# Altium PCB LimePSB-RPCM_1v5.PcbDoc (part 9 of 12) (continued)
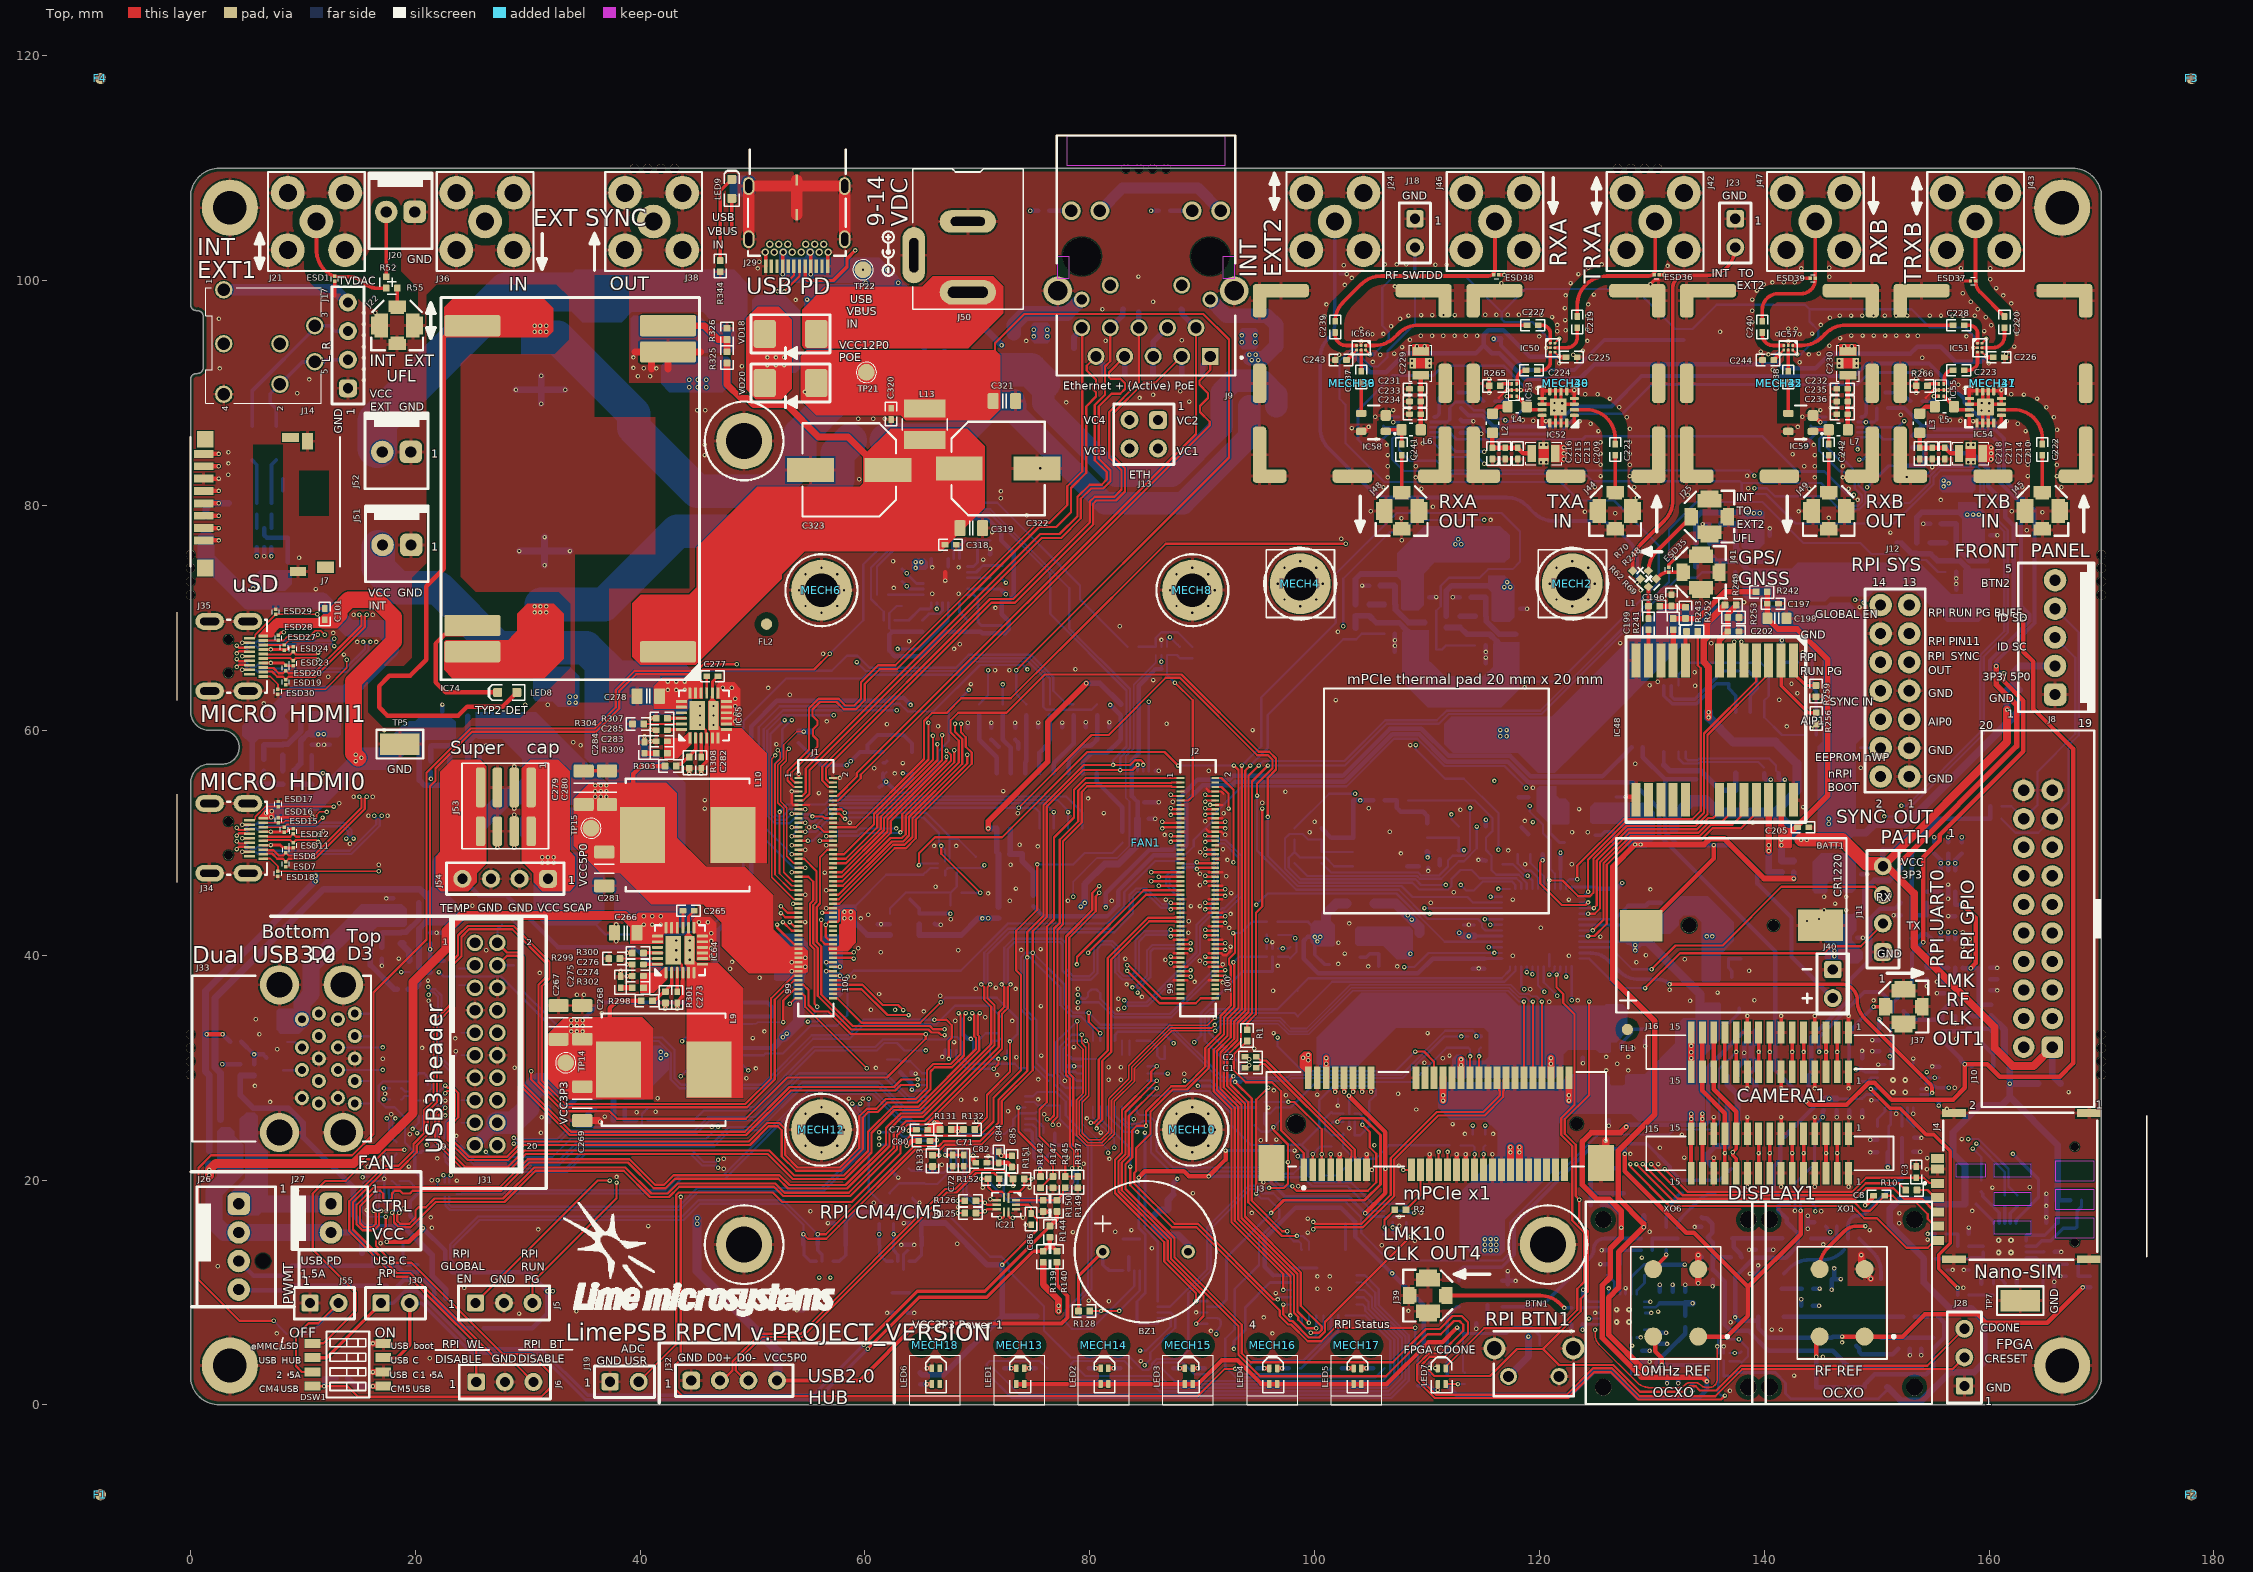
[diagram p0: Top view]
## Nets (pads, with @x,y where several pads share a name; then routed paths per layer and width w, separated by ;. In a path a pad name is that pad's centre, name@x,y a point inside that pad or via, vN(x,y) a via of type N, cw(c..) or ccw(c..) an arc to the next point about the centre after c; other vN are vias at no path point) (continued)
  Bottom w0.4: v1(81.425,44.25) 81.425,45.5 85.325,49.4 87.4,49.4 87.95,49.95 87.95,53.975 89.6,55.625 92.418,55.625 92.743,55.95 102.5,55.95 106.7,60.15 109.5,60.15 111.925,57.725 117.407,57.725 119.232,55.9 125.6,55.9 R87.1@128.2,58.5
RPI_VBUS_EN: IC1.1 R9.1 R167.2 | length 6.3
  Bottom w0.2: R167.2@84.35,67.45 84.363,67.437 IC1.1@85.875,67.437 85.875,68.225 86.375,68.725 87.825,68.725 R9.1@89.125,67.425
RPI_WL_nDISABLE: J1.89 J6.1 | length 103.1
  Top w0.2: J6.1@25.419,2.038 25.419,5.406 22.025,8.8 19.425,11.4 18.175,11.4 14.114,15.461 14.114,18.114 17.275,21.275 18.5,21.275 19.825,22.6 19.825,22.951 19.825,23.199 20.8,24.174 20.8,26.224 21.625,27.049 21.625,34.124 23.075,35.574 23.075,39.299 23.8,40.024 23.8,41.749 24.651,42.6 28.75,42.6 31.925,39.425 31.925,37.926 31.25,37.251 31.25,36.85 31.25,28.849 33.324,26.775 49.376,26.775 51.65,29.049 51.65,36.175 53.65,38.175 J1.89@54.085,38.175
RTC_nINT: C51.1 IC14.3 IC16.3 R100.1 | length 19.4
  Bottom w0.2: IC16.3@132.375,64 132.375,64.975 133.425,66.025 139.7,66.025 140.4,65.325 140.4,63.05 140.01,62.66 IC14.3@140.01,61.612 140.01,61.165 141.575,59.6 R100.1@143.625,59.6 C51.1@143.625,60.7
RTC_OSCI: IC14.1 IC16.1 XT1.1 | length 10.5
  Bottom w0.3: IC16.1@131.075,64 131.075,63.1 131.8,62.375 133.975,62.375 135.734,64.134 XT1.1@136.83,64.134 136.83,63.735 137.47,63.094 IC14.1@137.47,61.612
RTC_OSCO: IC14.2 IC16.2 XT1.2 | length 13.2
  Bottom w0.3: IC16.2@131.725,64 131.725,63.025 131.975,62.775 133.809,62.775 136.319,65.284 138.591,65.284 139.33,64.545 XT1.2@139.33,64.134 ; IC14.2@138.74,61.612 138.74,63.094 139.38,63.735 XT1.2@139.38,64.134
RTC_VDD: C48.1 D1.C IC14.8 IC16.8 | length 10
  Bottom w0.3: 131.075,56.925 IC16.8@131.075,58.1
  Bottom w0.5: 131.075,56.925 131.577,56.423 134.323,56.423 D1.C@136.058,54.688 C48.1@137.47,54.688 IC14.8@137.47,56.188
RXA: C239.1 ESD38.1 J46.1 | length 20.8
  Top w0.325: C239.1@101.825,96.4 cw(c104.179,96.4) 102.514,98.064 104.131,99.681 cw(c105.927,97.885) 105.927,100.425 115.453,100.425 ccw(c115.453,101.023) 116.05,101.023 J46.1@116.05,105.275
RXA_OUT: C241.2 J48.1 | length 3.2
  Top w0.325: J48.1@107.74,81.225 C241.2@107.74,84.475
RXB: C240.1 ESD39.1 J47.1 | length 12.4
  Top w0.325: C240.1@139.825,96.4 139.825,97.426 cw(c141.249,97.426) 141.249,98.85 143.275,98.85 ccw(c143.275,100.125) 144.55,100.125 ESD39.1@144.55,100.225 J47.1@144.55,105.275
RXB_OUT: C242.2 J49.1 | length 3.2
  Top w0.325: J49.1@145.74,81.225 C242.2@145.74,84.475
SCAP_TEMP: C32.1 IC6.7 J53.4 J54.4 R48.2 R53.1 | length 90.4
  L3 w0.4: v1(64.057,62.268) v1(81.818,62.268)
  Bottom w0.4: J54.4@24.186,46.8 25.661,45.325 28.075,45.325 32.675,40.725 39.475,40.725 41.425,38.775 46.05,38.775 46.9,39.625 46.9,42.175 49.9,45.175 49.9,60.375 52.15,62.625 62.05,62.625 62.325,62.9 63.425,62.9 v1(64.057,62.268) ; IC6.7@79.333,56.177 79.352,56.196 79.352,57.169 80.183,58 81.566,58 82.651,59.085 82.651,59.135 82.701,59.185 C32.1@82.751,59.185 R53.1@82.751,60.235 R48.2@82.751,61.335 v1(81.818,62.268)
  Bottom w0.6: J54.4@24.186,46.8 J54.4@24.225,46.839
SIM_VPP: J4.C6 R10.2 | length 2.1
  Top w0.2: R10.2@153.59,19.11 154.515,19.11 155.195,18.43 J4.C6@155.405,18.43
SYNC_OUT: IC32.2 IC42.4 IC43.3 R229.1 R232.1 R233.2 | length 54.9
  Top w0.25: v1(96.125,17.075) 97.25,18.2 104.45,18.2 105.85,19.6 105.85,24 104.35,25.5 102.344,25.5 v1(102.031,25.187)
  L3 w0.1: v1(98.275,41.5) 98.275,28.944 v1(102.031,25.187)
  Bottom w0.2: IC42.4@96.75,39.863 97.687,39.863 R232.1@97.825,39.725 98.4,40.3 98.4,41.321 98.275,41.446 v1(98.275,41.5) 97.975,41.8 R229.1@96.75,41.8 ; R233.2@101.5,25.05 101.637,25.187 v1(102.031,25.187) IC43.3@102.575,25.187
  Bottom w0.25: IC32.2@90.45,8.725 91.525,8.725 92.15,9.35 92.15,13.1 v1(96.125,17.075)
SYNC_OUT_SEL: IC12.2 IC42.6 | length 45.6
  Top w0.2: v1(92.775,39.375) 92.813,39.337 92.813,39.195 92.85,39.159 92.85,35.401 91.95,34.501 91.95,33.001 90.575,31.626 90.575,29.976 88.649,28.05 87.374,28.05 85.4,26.076 85.4,24.125 84.125,22.85 84.125,20.8 83.95,20.625 83.95,19.7 87.55,16.1 89.624,16.1 96.349,9.375 v1(96.725,9.375)
  Bottom w0.2: v1(92.775,39.375) 93.263,39.863 IC42.6@95.75,39.863 ; v1(96.725,9.375) 96.742,9.375 96.942,9.575 IC12.2@97.875,9.575
TCXO_DAC: IC35.4 R192.2 R194.1 | length 33.1
  Bottom w0.25: R192.2@141.225,18.65 142.236,18.65 IC35.4@142.236,18.548
  Bottom w0.4: R192.2@141.225,18.65 140.825,19.05 140.825,21.171 141.414,21.761 141.414,23.489 144.375,26.45 144.375,27.3 143.975,27.7 143.975,29.3 144.2,29.525 144.2,32.7 147.6,36.1 147.6,37.8 149.425,39.625 149.425,43.259 150.316,44.15 151.63,44.15 R194.1@152.14,44.659
TCXO_DAC_VREF: C156.2 C157.1 IC36.2 R197.1 R198.1 R202.1 R204.1 | length 11.7
  Bottom w0.4: R202.1@152.4,35 153.161,34.239 R197.1@155.849,34.239 155.849,35.015 156.423,35.589 R204.1@156.998,35.589 ; IC36.2@156.999,38.884 C157.1@156.999,37.63 R204.1@156.999,35.575 157.548,35.575 158.549,34.574 R198.1@159.099,34.574
TRXA: C219.1 ESD36.1 J42.1 | length 14
  Top w0.325: C219.1@123.375,96.825 123.375,97.816 cw(c125.984,97.816) 125.984,100.425 129.703,100.425 ccw(c129.703,101.023) 130.3,101.023 J42.1@130.3,105.275
TRXB: C220.1 ESD37.1 J43.1 | length 9.5
  Top w0.325: J43.1@158.8,105.275 ESD37.1@158.8,99.975 ccw(c160.188,99.975) 159.206,98.994 C220.1@161.375,96.825
TXA_IN: C221.2 J44.1 | length 3.2
  Top w0.325: J44.1@126.74,81.225 C221.2@126.74,84.475
TXB_IN: C222.2 J45.1 | length 3.2
  Top w0.325: J45.1@164.74,81.225 C222.2@164.74,84.475
UFL_INT_TO_EXT1: J22.1 R55.2 | length 1.7
  Top w0.325: J22.1@18.375,97.875 ccw(c18.315,97.935) J22.1@18.4,97.935 ; J22.1@18.4,97.735 J22.1@18.4,97.935 ; R55.2@18.4,99.35 J22.1@18.4,97.935
UFL_INT_TO_EXT2: J25.1 R70.2 | length 6.3
  Top w0.325: R70.2@129.7,74.189 cw(c132.14,74.189) 130.415,75.915 J25.1@133.525,79.025
UIM_CLK: J3.12 J4.C3 | length 60.4
  Top w0.2: v1(128.1,21.425) 128.1,21.175 131.575,17.7 147.8,17.7 148.9,16.6 150.025,16.6 152.65,13.975 154.55,13.975 155.195,14.62 J4.C3@155.405,14.62 J4.C3@155.705,14.62
  Top w0.4: v1(103.425,27.85) J3.12@103.425,29.1
  L3 w0.1: v1(103.425,27.85) 103.425,26.816 108.991,21.25 127.325,21.25 127.5,21.425 v1(128.1,21.425)
UIM_DATA: C8.2 J3.10 J4.C7 | length 60.9
  Top w0.2: v1(128.625,21.425) 132.05,18 148.05,18 148.775,17.275 149.4,17.275 C8.2@150.725,18.6 151.425,18.6 152,18.025 153.475,18.025 154.55,16.95 154.55,16.525 155.185,15.89 J4.C7@155.405,15.89
  Top w0.4: v1(102.625,27.85) J3.10@102.625,29.1
  L3 w0.1: v1(102.625,27.85) 102.625,27.333 108.908,21.05 128.25,21.05 v1(128.625,21.425)
UIM_PWR: C3.2 J3.8 J4.C1 | length 59.4
  Top w0.2: v1(131.15,20.975) 133.175,18.95 147.826,18.95 149.076,20.2 C3.2@153.525,20.2 154.2,20.2 154.669,19.731 J4.C1@155.405,19.731
  Top w0.4: v1(101.825,27.85) J3.8@101.825,29.1
  L3 w0.1: v1(101.825,27.85) 108.85,20.825 128.425,20.825 128.575,20.975 v1(131.15,20.975)
UIM_RESET: J3.14 J4.C2 | length 59.1
  Top w0.2: v1(129.2,21.425) 132.3,18.325 148.1,18.325 149.05,19.275 151.49,19.275 152.44,18.325 154.025,18.325 155.19,17.16 J4.C2@155.405,17.16 J4.C2@155.705,17.16
  Top w0.4: v1(104.225,27.85) J3.14@104.225,29.1
  L3 w0.1: v1(104.225,27.85) 104.225,26.299 109.024,21.5 127.225,21.5 127.5,21.775 128.85,21.775 v1(129.2,21.425)
UIM_VPP: J3.16 R10.1 | length 54.8
  Top w0.2: v1(129.95,21.425) 132.725,18.65 147.951,18.65 149.026,19.725 151.975,19.725 R10.1@152.59,19.11
  Top w0.4: v1(105.025,27.85) J3.16@105.025,29.1
  L3 w0.1: v1(105.025,27.85) 105.025,25.781 109.106,21.7 127.142,21.7 127.417,21.975 129.4,21.975 v1(129.95,21.425)
USB3H_1_D_N: IC27.1 J31.5 VD12.A | length 21
  L3 w0.15: v1(21.175,36.475) 21.175,36.487 21.413,36.725 22.7,36.725 23.975,38 24.425,38 25.3,37.125 J31.5@25.3,37.1
  Bottom w0.15: VD12.A@23.85,37.325 25.075,37.325 J31.5@25.3,37.1
  Bottom w0.2: v1(21.175,36.475) 21.375,36.675 21.65,36.675 22.025,36.3 22.025,30.726 23.15,29.601 23.15,25.599 22.675,25.124 22.675,24.275 22.625,24.225 IC27.1@22.625,23.725
USB3H_1_D_P: IC27.2 J31.3 VD13.A | length 21.6
  L3 w0.15: v1(21.15,37.175) 21.163,37.175 21.362,36.975 22.596,36.975 23.871,38.25 24.475,38.25 25.3,39.075 J31.3@25.3,39.1
  Bottom w0.15: VD13.A@23.85,38.825 24.666,38.825 24.941,39.1 J31.3@25.3,39.1
  Bottom w0.2: v1(21.15,37.175) 21.35,36.975 21.774,36.975 22.325,36.424 22.325,30.85 23.45,29.725 23.45,25.475 22.975,25 22.975,24.275 23.025,24.225 IC27.2@23.025,23.725
USB3H_1_RX_N: ESD3.1 IC30.9 J31.17 | length 20.9
  L3 w0.15: v1(15.3,20.8) 15.232,20.8 15.118,20.914 15.113,20.914 15.025,21.002 15.025,21.25 15.725,21.95 15.95,21.95 16.281,21.619 16.281,21.044 16.5,20.825 17.075,20.825 17.275,20.625 17.954,20.625 18.625,21.296 18.625,21.879 18.375,22.129 18.375,22.45 18.15,22.675 17.829,22.675 17.625,22.879 17.625,23.25 17.825,23.45 20.479,23.45 21.202,24.173 21.527,24.173 22.25,23.45 22.879,23.45 23.25,23.821 23.25,25.05 24.375,26.175 24.55,26.175 25.3,25.425 J31.17@25.3,25.1
  Bottom w0.15: ESD3.1@24.075,25.1 J31.17@25.3,25.1
  Bottom w0.2: v1(15.3,20.8) 15.375,20.725 IC30.9@15.846,20.725
USB3H_1_RX_P: ESD4.1 IC30.8 J31.15 | length 21.1
  L3 w0.15: v1(15.3,20.25) 14.775,20.775 14.775,21.354 15.621,22.2 16.054,22.2 17.379,20.875 17.85,20.875 18.375,21.4 18.375,21.775 17.375,22.775 17.375,23.354 17.721,23.7 20.375,23.7 21.098,24.423 21.63,24.423 22.354,23.7 22.775,23.7 23,23.925 23,25.154 24.946,27.1 J31.15@25.3,27.1
  Bottom w0.15: ESD4.1@24.075,27.1 J31.15@25.3,27.1
  Bottom w0.2: v1(15.3,20.25) v1@15.375,20.325 ; v1@15.325,20.325 v1@15.375,20.325 ; IC30.8@15.846,20.325 v1@15.375,20.325
USB3H_1_TX_N: C106.2 ESD5.1 J31.11 | length 20.3
  L3 w0.15: v1(18.225,25.475) 18.225,26.005 17.975,26.255 17.975,26.55 18.2,26.775 20.025,26.775 20.675,26.125 21.504,26.125 21.875,26.496 21.875,28.425 22.75,29.3 22.75,29.85 22.35,30.25 21.35,30.25 21.15,30.45 21.15,30.975 22.15,31.975 24.574,31.975 25.3,31.249 J31.11@25.3,31.1
  Bottom w0.15: ESD5.1@24.075,31.1 J31.11@25.3,31.1
  Bottom w0.2: v1(18.225,25.475) 17.974,25.224 17.974,23.944 17.974,23.667 18.091,23.55 18.175,23.55 18.325,23.4 C106.2@18.325,23.35
USB3H_1_TX_P: C108.2 ESD6.1 J31.9 | length 20.9
  L3 w0.15: v1(17.45,25.475) 17.475,25.5 17.475,26.005 17.725,26.255 17.725,26.654 18.096,27.025 20.129,27.025 20.779,26.375 21.4,26.375 21.625,26.6 21.625,28.529 22.5,29.404 22.5,29.746 22.246,30 21.246,30 20.9,30.346 20.9,31.079 22.046,32.225 23.3,32.225 ; 23.196,32.225 24.346,32.225 24.574,32.225 25.3,32.951 J31.9@25.3,33.1
  Bottom w0.15: ESD6.1@24.075,33.1 J31.9@25.3,33.1
  Bottom w0.2: C108.2@17.323,23.35 17.323,23.4 17.473,23.55 17.557,23.55 17.674,23.667 17.674,24.068 17.674,25.251 v1(17.45,25.475)
USB3S_T_D_N: IC26.1 J33.11 VD16.A | length 26.5
  L3 w0.15: v1(17.1,31.8) 17.1,31.4 16.563,30.863 16.259,30.863 15.925,30.529 15.925,23.404 14.225,21.704 14.225,20.271 14.996,19.5 19.825,19.5 20.75,20.425 v1(22.5,20.425)
  Bottom w0.2: J33.11@13.11,31.8 VD16.A@15.875,31.8 v1(17.1,31.8) ; v1(22.5,20.425) 22.625,20.3 IC26.1@22.625,19.8
USB3S_T_D_P: IC26.2 J33.12 VD17.A | length 26.5
  L3 w0.15: v1(17.1,29.8) 17.1,30.2 16.687,30.613 16.363,30.613 16.175,30.425 16.175,23.3 14.475,21.6 14.475,20.375 15.1,19.75 19.721,19.75 20.771,20.8 22.775,20.8 v1(23.15,20.425)
  Bottom w0.2: J33.12@13.11,29.8 VD17.A@15.875,29.8 v1(17.1,29.8) ; IC26.2@23.025,19.8 23.025,20.3 v1(23.15,20.425)
USB3S_T_RX_N: ESD31.1 IC29.9 J33.14 | length 27.2
  L3 w0.15: J33.14@14.61,26.8 14.61,27.76 14.75,27.9 15.45,27.9 15.675,28.125 15.675,31.925 16.5,32.75 17.925,32.75 18.125,32.55 18.125,31.519 17.85,31.244 17.85,30.95 18.125,30.675 18.125,29.325 18,29.2 16.821,29.2 16.45,28.829 16.45,24.846 16.871,24.425 18.704,24.425 19.05,24.771 19.05,25.5 19.275,25.725 19.925,25.725 20.375,25.275 20.375,24.983 19.99,24.598 19.798,24.598 v1(19.75,24.55)
  Bottom w0.2: J33.14@14.61,26.8 ESD31.1@15.875,26.8 ; v1(19.75,24.55) 20.3,25.1 IC29.9@20.3,25.698
USB3S_T_RX_P: ESD32.1 IC29.8 J33.15 | length 27.3
  L3 w0.15: J33.15@14.61,28.8 14.61,28.502 14.962,28.15 15.3,28.15 15.425,28.275 15.425,32.029 16.396,33 18.029,33 18.375,32.654 18.375,29.221 18.104,28.95 16.925,28.95 16.7,28.725 16.7,24.95 16.975,24.675 18.6,24.675 18.8,24.875 18.8,25.604 19.171,25.975 20.029,25.975 20.625,25.379 20.625,24.879 20.186,24.44 20.186,24.211 v1(20.15,24.175)
  Bottom w0.2: J33.15@14.61,28.8 ESD32.1@15.875,28.8 ; v1(20.15,24.175) 20.7,24.725 IC29.8@20.7,25.698
USB3S_T_TX_N: C105.2 ESD33.1 J33.17 | length 27.1
  L3 w0.15: J33.17@14.61,32.8 14.61,33.56 14.725,33.675 16,33.675 16.225,33.45 17,33.45 17.225,33.675 18.854,33.675 19.225,34.046 19.225,35.175 19.35,35.3 21.775,35.3 22.475,34.6 22.475,33.775 22.075,33.375 19.996,33.375 18.85,32.229 18.85,31.046 19.346,30.55 19.946,30.55 20.15,30.346 20.15,29.929 19.971,29.75 19.121,29.75 18.775,29.404 18.775,28.871 19.096,28.55 19.575,28.55 19.75,28.375 19.75,27.913 19.637,27.8 17.9,27.8 17.525,28.175 v1(17.2,28.175)
  Bottom w0.2: J33.17@14.61,32.8 ESD33.1@15.875,32.8 ; v1(17.2,28.175) C105.2@17.75,28.175
USB3S_T_TX_P: C107.2 ESD34.1 J33.18 | length 27.3
  L3 w0.15: J33.18@14.61,34.8 14.61,34.79 15.475,33.925 18.75,33.925 18.975,34.15 18.975,35.279 19.246,35.55 21.879,35.55 22.725,34.704 22.725,33.671 22.179,33.125 20.1,33.125 19.1,32.125 19.1,31.15 19.45,30.8 20.05,30.8 20.4,30.45 20.4,29.825 20.075,29.5 19.7,29.5 19.225,29.5 19.025,29.3 19.025,28.975 19.2,28.8 19.679,28.8 20,28.479 20,27.809 19.741,27.55 17.925,27.55 17.55,27.175 v1(17.2,27.175)
  Bottom w0.2: J33.18@14.61,34.8 ESD34.1@15.875,34.8 ; v1(17.2,27.175) C107.2@17.75,27.175
USB_C_RPI1: DSW1.2 J30.1 R144.1 R149.1 | length 79.6
  Top w0.3: DSW1.2@10.85,4.2 12.105,4.2 J30.1@16.955,9.05 ; v1(59.896,5.354) 64.643,10.1 70.65,10.1 R144.1@76.45,15.9
  Top w0.4: R144.1@76.45,15.9 77.068,16.518 ; 77.068,16.593 77.068,17.193 R149.1@77.075,17.2
  Bottom w0.3: J30.1@16.955,9.05 18.01,9.05 19.06,10.1 20.125,10.1 25.225,5 31.175,5 35.337,0.838 55.381,0.838 v1(59.896,5.354)
USB_C_RPI2: DSW1.7 J30.2 R139.1 R140.1 R144.2 | length 74.3
  Top w0.3: DSW1.7@17.15,4.2 18.375,4.2 19.495,5.32 J30.2@19.495,9.05 ; v1(60.25,5) 64.825,9.575 70.85,9.575 74.95,13.675 R139.1@75.85,13.675
  Top w0.4: R139.1@75.85,13.675 76.45,14.275 ; R144.2@76.45,14.9 76.45,14.275 ; R140.1@77.075,13.675 76.475,14.275 76.45,14.275
  Bottom w0.3: J30.2@19.495,9.05 20.55,9.05 25,4.6 31.009,4.6 35.159,0.45 ; 35.159,0.438 55.688,0.438 v1(60.25,5)
USB_CC1: C335.1 IC76.15 J29.A5 | length 55.4
  Top w0.3: J29.A5@54.675,101.295 54.675,100.25 54.9,100.025 57.175,100.025 58.4,101.25 58.4,101.975 v1(59.125,102.7)
  L3 w0.1: v1(59.125,102.7) 61.55,105.125 65.325,105.125 68.2,102.25 70.05,102.25 72.225,100.075 72.225,97.008 70.65,95.433 70.65,89.15 63.716,82.216 v1(63.716,73.97)
  Bottom w0.25: C335.1@63.291,74.37 63.341,74.37 63.466,74.245 63.466,74.195 64.586,73.075 IC76.15@65.184,73.075
USB_CC2: C334.1 IC76.14 J29.B5 | length 55.4
  L3 w0.1: J29.B5@53.125,103.245 55.205,105.325 65.408,105.325 68.283,102.45 70.133,102.45 72.425,100.158 72.425,96.925 70.85,95.35 70.85,89.067 64.066,82.283 64.066,73.175 v1(63.714,72.823)
  Bottom w0.25: C334.1@63.291,73.245 63.341,73.245 63.466,73.12 63.466,73.07 v1(63.714,72.823) 63.961,72.575 IC76.14@65.184,72.575
USB_HUB_CFG_SEL0: IC20.41 IC22.6 IC23.6 R143.1 R148.2 R154.1 | length 33.7
  Bottom w0.2: IC20.41@74.25,26.95 75.05,26.95 75.375,26.625 R154.1@77.35,26.625 77.35,25.4 R143.1@79.65,23.1 79.85,22.9 79.85,10.425 77.835,8.41 IC22.6@77.835,7.875 77.835,7.34 78.4,6.775 80.15,6.775 83.95,10.575 IC23.6@83.95,11.95
USB_HUB_CFG_SEL1: IC20.42 R142.1 R147.1 | length 9.5
  Top w0.2: v1(73.65,26.45) 73.65,24.325 76.731,21.244 R147.1@76.731,20.35 ; R142.1@75.625,19.306 76.625,20.306 R147.1@76.725,20.306
  Bottom w0.2: v1(73.65,26.45) IC20.42@74.25,26.45
USB_HUB_CFG_SEL2: IC20.13 R141.1 R146.2 | length 4
  Bottom w0.2: R146.2@61.975,30.725 R141.1@62.925,30.725 ; R141.1@63,30.725 63.15,30.575 64.025,30.575 65.1,29.5 65.45,29.5 IC20.13@65.5,29.45
USB_HUB_D0_N: IC20.58 IC21.4 J32.3 R126.1 R152.1 | length 45.2
  Top w0.2: J32.3@49.63,1.938 48.509,3.059 48.509,3.735 50.799,6.025 54.399,6.025 67.274,18.9 68.149,18.9 69.874,20.625 71.481,20.625 71.95,20.156 R152.1@71.95,20.106 v1(71.95,19.475) ; R126.1@69.875,18.15 70.475,18.15 70.65,17.975 v1(70.675,17.975) 70.85,17.8 IC21.4@71.725,17.8
  L3 w0.1: v1(70.675,17.975) 70.7,17.95 71.717,17.95 72.575,18.808 72.575,19.275 72.375,19.475 v1(71.95,19.475)
  Bottom w0.2: IC20.58@69.125,22.825 69.075,22.775 69.075,22.395 69.025,22.345 69.025,18.924 70.199,17.75 70.45,17.75 v1(70.675,17.975)
USB_HUB_D0_P: IC20.59 IC21.5 J32.2 R125.1 R151.1 | length 47.7
  Top w0.2: J32.2@47.088,1.938 48.209,3.059 48.209,3.859 50.675,6.325 54.275,6.325 67.15,19.2 68.025,19.2 69.75,20.925 72.3,20.925 73.175,20.05 v1(73.175,19.475) ; R125.1@69.877,17.063 70.477,17.063 70.64,17.225 v1(70.675,17.225) 70.85,17.4 IC21.5@71.725,17.4
  L3 w0.1: v1(70.675,17.225) 71.275,17.225 73.175,19.125 v1(73.175,19.475)
  Bottom w0.2: IC20.59@68.625,22.825 68.675,22.775 68.675,22.395 68.725,22.345 68.725,18.8 70.075,17.45 70.45,17.45 v1(70.675,17.225)
USB_HUB_D1_N: IC20.1 R130.2 | length 2.7
  Bottom w0.2: R130.2@62.975,23.15 63.375,23.55 65.02,23.55 65.07,23.5 65.45,23.5 IC20.1@65.5,23.45
USB_HUB_D1_P: IC20.2 R127.2 | length 2.7
  Bottom w0.2: R127.2@62.975,24.25 63.375,23.85 65.02,23.85 65.07,23.9 65.45,23.9 IC20.2@65.5,23.95
USB_HUB_D2_N: IC20.3 IC26.5 | length 46.8
  Bottom w0.2: IC26.5@23.675,18.75 24.075,18.75 24.125,18.8 42.101,18.8 42.349,18.8 43.649,20.1 47.524,20.1 55.074,27.65 60.701,27.65 63.226,25.125 63.925,25.125 64.5,24.55 65.02,24.55 65.07,24.5 65.45,24.5 IC20.3@65.5,24.45
USB_HUB_D2_P: IC20.4 IC26.4 | length 46.8
  Bottom w0.2: IC26.4@23.675,19.15 24.075,19.15 24.125,19.1 42.225,19.1 43.525,20.4 47.4,20.4 54.95,27.95 60.825,27.95 63.35,25.425 64.049,25.425 64.624,24.85 65.02,24.85 65.07,24.9 65.45,24.9 IC20.4@65.5,24.95
USB_HUB_D3_N: IC20.6 IC27.5 | length 46.3
  Bottom w0.2: IC27.5@23.675,22.675 23.901,22.675 24.113,22.463 24.538,22.038 25.226,21.35 32.799,21.35 34.449,23 46.6,23 48.025,24.425 50.55,24.425 54.525,28.4 61.126,28.4 63.476,26.05 65.02,26.05 65.07,26 65.45,26 IC20.6@65.5,25.95
USB_HUB_D3_P: IC20.7 IC27.4 | length 46.4
  Bottom w0.2: IC27.4@23.675,23.075 24.043,23.075 24.26,22.858 24.26,22.74 25.35,21.65 32.675,21.65 34.325,23.3 46.476,23.3 47.901,24.725 50.426,24.725 54.401,28.7 61.25,28.7 63.6,26.35 65.02,26.35 65.07,26.4 65.45,26.4 IC20.7@65.5,26.45
USB_HUB_D4_N: IC20.8 J33.2 VD14.A | length 73.9
  L3 w0.1: J33.2@9.91,31.8 9.91,31.56 9.25,30.9 8.842,30.9 8.5,30.558 8.5,26.892 11.025,24.367 11.025,22.667 14.792,18.9 24.65,18.9 28.425,22.675 28.425,22.925 v1(28.75,23.25)
  Bottom w0.2: VD14.A@8.575,32.275 9.268,32.275 9.743,31.8 J33.2@9.91,31.8 ; v1(28.75,23.25) 28.85,23.35 32.749,23.35 33.474,24.075 44.95,24.075 46.175,25.3 50.349,25.3 54.249,29.2 61.701,29.2 63.851,27.05 65.02,27.05 65.07,27 65.45,27 IC20.8@65.5,26.95
USB_HUB_D4_P: IC20.9 J33.3 VD15.A | length 74
  L3 w0.1: J33.3@9.91,29.8 9.91,30.04 9.25,30.7 8.925,30.7 8.7,30.475 8.7,30.225 8.875,30.05 8.875,29.775 8.7,29.6 8.7,29.35 8.9,29.15 8.9,28.925 8.7,28.725 8.7,26.975 11.225,24.45 11.225,22.75 14.875,19.1 24.567,19.1 28.225,22.758 28.225,23.008 28.4,23.183 28.4,23.4 v1(28.75,23.75)
  Bottom w0.2: VD15.A@8.25,29.775 9.885,29.775 J33.3@9.91,29.8 ; v1(28.75,23.75) 28.85,23.65 32.625,23.65 33.35,24.375 44.826,24.375 46.051,25.6 50.225,25.6 54.125,29.5 61.825,29.5 63.975,27.35 65.02,27.35 65.07,27.4 65.45,27.4 IC20.9@65.5,27.45
USB_HUB_D5_N: IC20.11 J31.4 VD10.A | length 55.1
  Top w0.2: J31.4@27.3,39.1 28.15,39.95 29.05,39.95 29.325,39.675 29.325,28.4 33.725,24 49.425,24 53.4,27.975 57.5,27.975 62.7,27.975 63.175,28.45 v1(64.675,28.45)
  Bottom w0.2: J31.4@27.3,39.1 28.75,39.1 VD10.A@28.775,39.075 ; v1(64.675,28.45) IC20.11@65.5,28.45
USB_HUB_D5_P: IC20.12 J31.2 VD11.A | length 55.5
  Top w0.2: J31.2@27.3,41.1 28.15,40.25 29.174,40.25 29.625,39.799 29.625,28.524 33.849,24.3 49.301,24.3 53.276,28.275 62.575,28.275 63.25,28.95 v1(64.675,28.95)
  Bottom w0.2: J31.2@27.3,41.1 27.3,42.325 27.45,42.475 27.5,42.475 27.7,42.675 VD11.A@27.7,42.725 ; v1(64.675,28.95) IC20.12@65.5,28.95
USB_HUB_D6_N: IC20.53 R138.2 | length 1.7
  Bottom w0.2: IC20.53@71.625,22.825 71.675,22.775 71.675,21.7 R138.2@72.075,21.3
USB_HUB_D6_P: IC20.54 R136.2 | length 1.8
  Bottom w0.2: R136.2@70.975,21.3 71.175,21.5 71.233,21.5 71.35,21.617 71.35,22.266 71.175,22.441 71.175,22.775 IC20.54@71.125,22.825
USB_HUB_I2C_SDA: IC20.40 IC22.5 IC23.5 R128.1 R153.1 | length 33.7
  Top w0.2: R128.1@80,8.35 v1(81,8.35) v1(82.625,8.35)
  Bottom w0.2: IC20.40@74.25,27.45 74.95,27.45 75.325,27.825 R153.1@76.3,27.825 77,27.825 77.85,26.975 77.85,25.748 80.15,23.448 80.15,10.301 79.105,9.256 IC22.5@79.105,7.875 80.525,7.875 v1(81,8.35) ; v1(82.625,8.35) 84.45,10.175 IC23.5@84.45,11.95
USB_HUB_OCS_24: IC20.21 IC20.27 R169.2 | length 73.8
  Top w0.2: v1(71.45,29.9) 71.875,30.325 v1(71.875,30.775)
  L3 w0.2: v1(18.75,38.5) v1(22.1,38.5)
  Bottom w0.2: v1(18.75,38.5) R169.2@19.463,38.5 ; v1(22.1,38.5) 22.5,38.1 27.628,38.1 33.353,32.375 41.658,32.375 42.725,31.308 42.725,28.951 43.501,28.175 50.999,28.175 55.399,32.575 58.649,32.575 59.924,33.85 66.35,33.85 68,35.5 71.1,35.5 72.2,34.4 72.2,32.695 71.905,32.4 71.4,32.4 71.125,32.125 IC20.27@71.125,31.575 71.125,31.025 71.375,30.775 v1(71.875,30.775) ; IC20.21@68.125,31.575 68.125,30.8 69.025,29.9 v1(71.45,29.9)
USB_HUB_OCS_35: IC20.22 IC20.35 R160.2 | length 46.6
  Bottom w0.2: R160.2@33.7,25.375 34.35,24.725 39.913,24.725 40.166,24.979 40.166,25.866 40.775,26.475 50.101,26.475 55.451,31.825 60.925,31.825 61.6,32.5 67.35,32.5 67.575,32.725 68.2,32.725 68.625,32.3 IC20.22@68.625,31.575 68.625,30.925 69.2,30.35 73.325,30.35 73.725,29.95 IC20.35@74.25,29.95
USB_HUB_PRTPWR_24: IC20.20 R165.2 | length 64.6
  Top w0.2: v1(66.175,34.25) 67.25,34.25 67.725,33.775 67.725,32.641 67.45,32.366 v1(67.45,30.775)
  Bottom w0.2: R165.2@22.538,40.5 22.538,41.412 24.901,43.775 27.95,43.775 29.625,42.1 29.625,36.749 33.699,32.675 41.974,32.675 43.05,31.599 43.05,29.05 43.625,28.475 50.875,28.475 55.275,32.875 58.525,32.875 59.9,34.25 v1(66.175,34.25) ; v1(67.45,30.775) 67.625,30.95 IC20.20@67.625,31.575
USB_HUB_PRTPWR_35: IC20.30 R157.2 | length 36.4
  L3 w0.1: v1(65.4,31.525) 66.975,31.525 67.225,31.275 68.325,31.275 68.6,31 71.025,31 71.6,30.425 72.075,30.425 v1(72.5,30.85)
  Bottom w0.2: R157.2@40.666,25.329 44.779,25.329 45.625,26.175 50.225,26.175 55.575,31.525 61.049,31.525 61.724,32.2 62.85,32.2 63.525,31.525 v1(65.4,31.525) ; v1(72.5,30.85) 72.625,30.975 IC20.30@72.625,31.575
USB_HUB_RST: C70.2 IC20.43 R131.1 R132.1 | length 9.3
  Top w0.6: R131.1@67.675,24.5 R132.1@68.775,24.5
  Bottom w0.2: v1(68.25,24.35) 68.5,24.1 72.425,24.1 73.2,24.875 73.2,25.4 73.75,25.95 IC20.43@74.25,25.95 75.15,25.95 C70.2@75.25,26.05
USB_PD_3V3: C331.2 C332.1 C333.1 IC76.23 R334.1 R335.1 R336.1 R337.1 R345.2 R346.2 R347.2 R350.1 | length 38.2
  Bottom w0.2: 62.455,68.795 62.166,69.084 62.166,70.416 62.82,71.07 R347.2@63.291,71.07
  Bottom w0.25: C332.1@67.766,78.845 C331.2@67.766,77.845 C333.1@67.766,76.845 67.766,76.17 67.9,76.036 IC76.23@67.9,75.291
  Bottom w0.4: R350.1@65.116,68.795 R345.2@63.891,68.795 62.455,68.795 62.175,68.515 62.175,67.075 62.65,66.6 65.1,66.6 67.295,68.795 R346.2@69.116,68.795 70.305,68.795 70.45,68.65 72.46,68.65 72.8,68.99 72.8,69.711 R337.1@72.166,70.345 R336.1@72.166,71.47 72.72,71.47 73.216,71.966 R335.1@73.216,74.67 73.216,75.795 R334.1@72.116,76.895 72.116,77.634 70.855,78.895 67.866,78.895 67.816,78.845 C332.1@67.766,78.845
USB_PD_HPI_INT: IC76.7 R346.1 | length 1.9
  Bottom w0.25: IC76.7@68.4,71.359 68.4,70.511 R346.1@69.116,69.795
USB_PD_HPI_SCL: IC76.13 R347.1 R349.1 | length 3.1
  Bottom w0.25: R349.1@62.071,72.075 IC76.13@65.184,72.075
USB_PD_HPI_SDA: IC76.12 R345.1 R348.1 | length 4.1
  Bottom w0.25: R348.1@62.666,69.795 R345.1@63.891,69.795 64.891,70.795 65.741,70.795 65.9,70.954 IC76.12@65.9,71.359
USB_PD_I: DSW1.3 J55.2 R339.1 R343.1 | length 14.3
  Top w0.2: DSW1.3@10.85,2.93 9.895,2.93 9.375,3.45 9.375,6.125 10.5,7.25 11.37,7.25 J55.2@13.17,9.05
  Bottom w0.2: R339.1@9.525,6.325 R343.1@10.625,6.325 13.17,8.87 J55.2@13.17,9.05
USB_VBUS_IN: C326.2 C328.2 IC75.7 IC75.8 IC76.18 J29.A4 J29.A9 J29.B4 J29.B9 R139.2 R331.2 TP22.1 VD9.K | length 279.4
  Top w0.3: v1(52.675,100.575) J29.A9@52.675,101.295 J29.B4@52.675,102.495 ; v1(55.175,100.575) J29.A4@55.175,101.295 J29.B9@55.175,102.495
  Top w0.6: R139.2@75.85,12.675 75.85,10.725 77.225,9.35 v1(77.225,8.825) v1(77.225,8.325)
  L4 w2: 33.975,62.75 33.975,62.525 33.813,62.363 32.4,60.95 25.95,60.95 ; 52.062,100.725 53.454,100.725 ; 64.75,75.075 64.75,95.5 59.675,100.575 v1(55.175,100.575) v1(52.675,100.575) 51.912,100.575 51.112,99.775 37.3,99.775 37.111,99.964 10.464,99.964 5.75,95.25 5.75,82.85 20.225,68.375 20.225,66.675 25.95,60.95 ; 77.2,8.55 66.625,8.55 65.45,9.725 46.813,9.725 43.988,12.55 20.6,12.55 11.65,12.55 7.275,16.925 7.275,19.975 4.2,23.05 4.2,38.775 8.875,43.45 17.925,43.45 19.7,45.225 19.7,56.05 22.175,58.525 23.525,58.525 25.95,60.95
  other v1: 33.7,62.475 34.25,62.475 33.725,63 34.25,63 64.5,74.45 64.5,74.975 65.025,74.975 60.075,99.825 62.95,99.825 59.825,100.975 62,100.975
VBUS_FET_EN: IC76.3 R332.2 | length 2
  Bottom w0.25: IC76.3@69.116,73.575 71.111,73.575 R332.2@71.116,73.57
VBUS_MAX: IC76.2 R335.2 R340.2 | length 3.3
  Bottom w0.25: IC76.2@69.116,74.075 69.9,74.075 70.495,74.67 R340.2@71.116,74.67 R335.2@72.216,74.67
VBUS_MIN: IC76.1 R334.2 R338.1 | length 4.1
  Bottom w0.25: IC76.1@69.116,74.575 69.646,74.575 70.016,74.945 R338.1@70.016,76.895 R334.2@71.116,76.895
VCC1P2: C66.2 C67.1 C68.2 C69.1 C291.2 IC18.5 IC18.30 IC67.1 pad.2@130.825,43.325 R123.2 R313.1 TP17.1 | length 40.5
  L3 w0.8: v1(113.725,41.7) 113.2,41.7 112.875,42.025 112.875,43.125 113.975,44.225 121.325,44.225 122.575,42.975 130.175,42.975 132.05,41.1 134.3,41.1 v1(134.875,41.675) v1(135.375,41.675)
  Bottom w0.2: R313.1@135.825,39.675 C291.2@134.725,39.675 134.725,41.1 135.608,41.1 136.033,41.525 TP17.1@136.375,41.525
  Bottom w0.25: C67.1@114.225,41.7 IC18.5@116.675,41.7 ; IC18.30@123.575,42.7 127.3,42.7 127.725,43.125 127.775,43.125 127.9,43.25 C69.1@127.9,43.3
  Bottom w0.4: C69.1@127.9,43.3 C68.2@128.9,43.3
  Bottom w0.6: v1(112.875,42) 113.175,41.7 C66.2@113.225,41.7 v1(113.725,41.7) C67.1@114.225,41.7
VCC1P2_FPGA: C64.2 C65.1 IC18.29 pad.2@130.825,44.325 R123.1 | length 7.9
  Bottom w0.25: IC18.29@123.575,43.2 126.7,43.2 C65.1@127.9,44.4
  Bottom w0.4: C65.1@127.9,44.4 C64.2@128.9,44.4 128.91,44.41 129.46,44.41 129.725,44.675 R123.1@130.825,44.675
VCC1P5: C295.2 IC70.1 J3.6 J3.28 J3.48 R319.2 TP19.1 | length 5.1
  Top w0.6: J3.6@101.025,29.1 v1(101.025,30.35) v1(101.025,30.85) ; J3.28@113.025,29.1 v1(113.025,30.225) v1(113.025,30.725) ; J3.48@121.025,29.1 v1(121.025,30.35) v1(121.025,30.85)
VCC1P8_RPI: C6.2 J1.88 J1.90 | length 1.3
  Top w0.2: v1(56.555,38.575) J1.88@57.165,38.575 ; J1.90@57.165,38.175 v1(57.775,38.175)
  Bottom w0.35: v1(57.775,38.175) C6.2@57.775,38.236